# KiCad board qazimodo.kicad_pcb
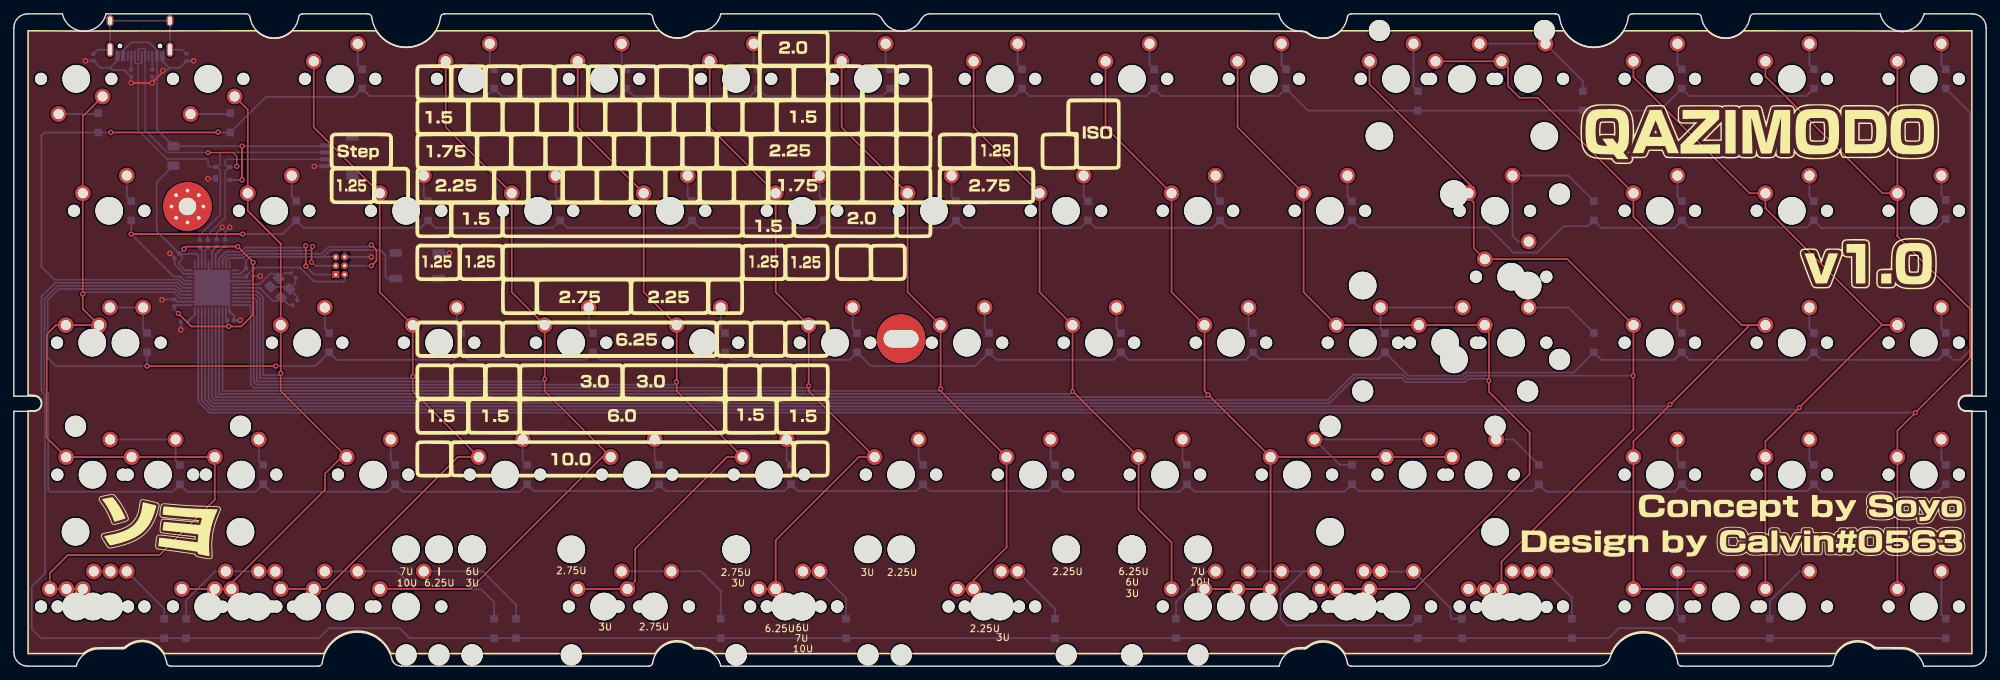
[diagram p0: board, top side]
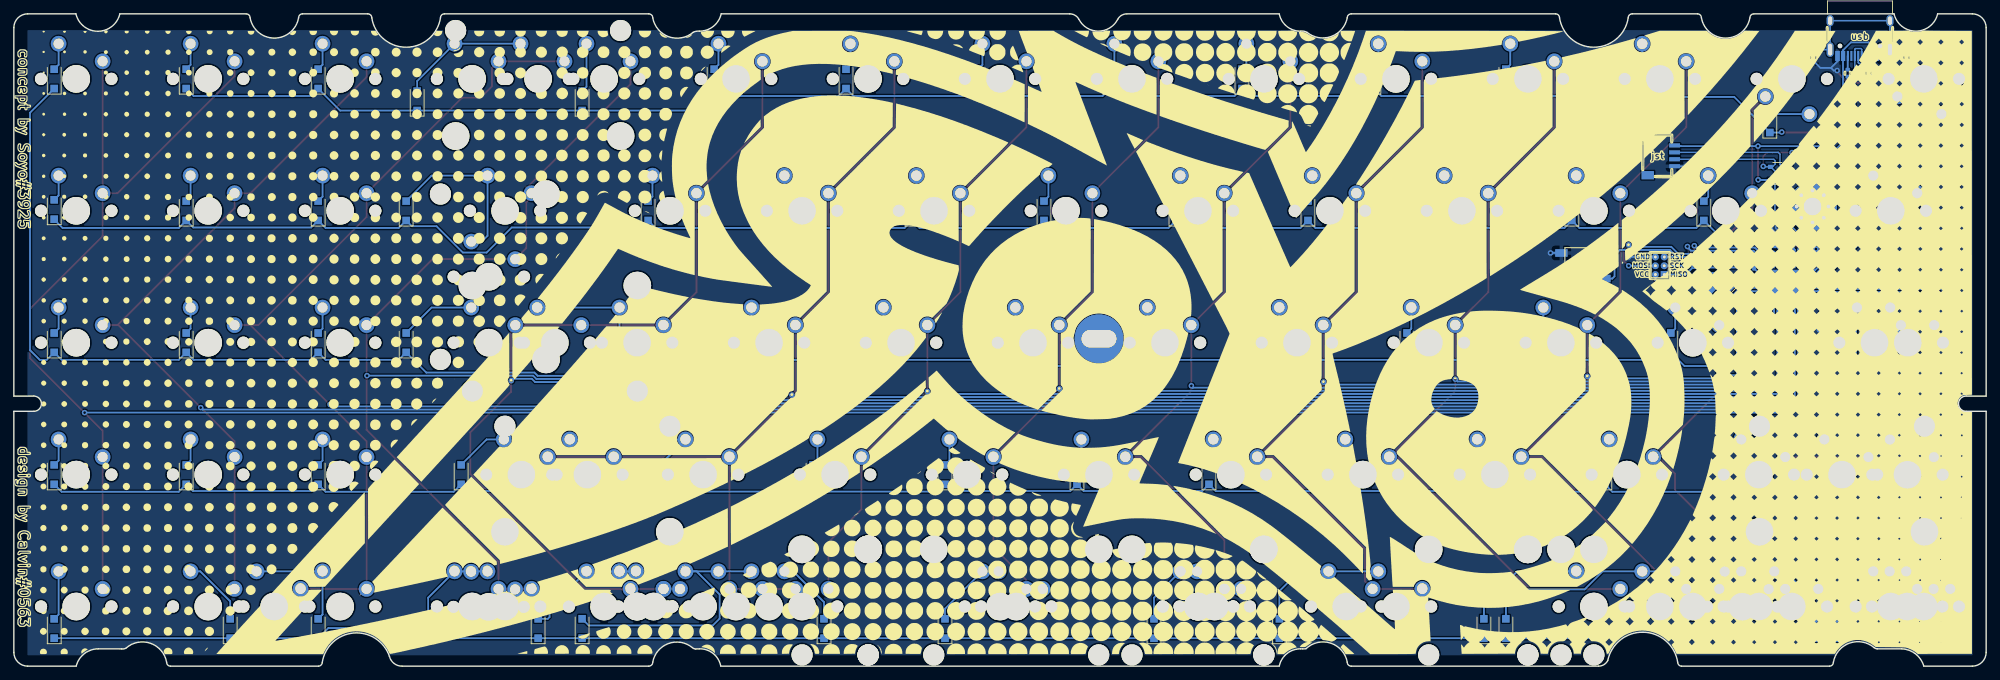
[diagram p1: board, bottom side, seen from below]

Outline 284.7 x 94.2 mm; copper layers: Top, Bottom. Coordinates in mm from the lower left corner of the outline.

## Placement (name value [footprint] x y rotation side)
C1  1uF  [C_0402_1005Metric]  29.26 61.12 90 bottom
C2  0.1uF  [C_0402_1005Metric]  23.16 52.49 90 bottom
C3  22pF  [C_0402_1005Metric]  40.57 52.49 225 bottom
C4  22pF  [C_0402_1005Metric]  40.31 56.43 135 bottom
C5  0.1uF  [C_0402_1005Metric]  30.53 61.12 90 bottom
C6  0.1uF  [C_0402_1005Metric]  31.29 49.95 0 bottom
C7  0.1uF  [C_0402_1005Metric]  34.02 56.3 0 bottom
C8  10uF  [C_0402_1005Metric]  23.54 59.22 225 bottom
C_USBSHIELD1  4.7nF  [C_0402_1005Metric]  11.48 87.92 270 bottom
D1  D_Small  [D_SOD-123F]  35.99 27.66 90 bottom
D2  D_Small  [D_SOD-123F]  12.17 78.46 90 bottom
D3  D_Small  [D_SOD-123F]  16.94 65.76 90 bottom
D4  D_Small  [D_SOD-123F]  19.22 46.72 90 bottom
D5  D_Small  [D_SOD-123F]  23.95 27.65 90 bottom
D6  D_Small  [D_SOD-123F]  21.7 5.43 90 bottom
D7  D_Small  [D_SOD-123F]  31.22 78.46 90 bottom
D8  D_Small  [D_SOD-123F]  40.75 65.76 90 bottom
D9  D_Small  [D_SOD-123F]  45.51 46.71 90 bottom
D10  D_Small  [D_SOD-123F]  55.04 27.66 90 bottom
D11  D_Small  [D_SOD-123F]  24.87 5.43 90 bottom
D12  D_Small  [D_SOD-123F]  50.27 84.81 90 bottom
D13  D_Small  [D_SOD-123F]  59.8 65.76 90 bottom
D14  D_Small  [D_SOD-123F]  64.56 46.71 90 bottom
D15  D_Small  [D_SOD-123F]  74.09 27.66 90 bottom
D16  D_Small  [D_SOD-123F]  69.32 5.43 90 bottom
D17  D_Small  [D_SOD-123F]  69.32 84.81 90 bottom
D18  D_Small  [D_SOD-123F]  78.85 65.76 90 bottom
D19  D_Small  [D_SOD-123F]  83.61 46.71 90 bottom
D20  D_Small  [D_SOD-123F]  93.14 27.66 90 bottom
D21  D_Small  [D_SOD-123F]  72.5 5.43 90 bottom
D22  D_Small  [D_SOD-123F]  88.37 84.81 90 bottom
D23  D_Small  [D_SOD-123F]  97.9 65.76 90 bottom
D24  D_Small  [D_SOD-123F]  102.66 46.71 90 bottom
D25  D_Small  [D_SOD-123F]  112.19 27.66 90 bottom
D26  D_Small  [D_SOD-123F]  102.03 5.43 90 bottom
D27  D_Small  [D_SOD-123F]  107.42 84.81 90 bottom
D28  D_Small  [D_SOD-123F]  116.95 65.76 90 bottom
D29  D_Small  [D_SOD-123F]  121.71 46.71 90 bottom
D30  D_Small  [D_SOD-123F]  131.24 27.66 90 bottom
D31  D_Small  [D_SOD-123F]  120.12 5.43 90 bottom
D32  D_Small  [D_SOD-123F]  126.47 84.81 90 bottom
D33  D_Small  [D_SOD-123F]  136 65.76 90 bottom
D34  D_Small  [D_SOD-123F]  140.76 46.71 90 bottom
D35  D_Small  [D_SOD-123F]  150.29 27.66 90 bottom
D36  D_Small  [D_SOD-123F]  150.29 5.43 90 bottom
D37  D_Small  [D_SOD-123F]  145.52 84.81 90 bottom
D38  D_Small  [D_SOD-123F]  155.05 65.76 90 bottom
D39  D_Small  [D_SOD-123F]  159.81 46.71 90 bottom
D40  D_Small  [D_SOD-123F]  169.34 27.66 90 bottom
D41  D_Small  [D_SOD-123F]  167.75 5.43 90 bottom
D42  D_Small  [D_SOD-123F]  220.14 27.66 90 bottom
D43  D_Small  [D_SOD-123F]  164.57 84.81 90 bottom
D44  D_Small  [D_SOD-123F]  174.1 65.76 90 bottom
D45  D_Small  [D_SOD-123F]  178.86 46.71 90 bottom
D46  D_Small  [D_SOD-123F]  193.15 27.66 90 bottom
D47  D_Small  [D_SOD-123F]  202.67 5.43 90 bottom
D48  D_Small  [D_SOD-123F]  228.07 46.71 90 bottom
D49  D_Small  [D_SOD-123F]  183.62 84.81 90 bottom
D50  D_Small  [D_SOD-123F]  193.15 65.76 90 bottom
D51  D_Small  [D_SOD-123F]  197.91 46.71 90 bottom
D52  D_Small  [D_SOD-123F]  240.77 27.66 90 bottom
D53  D_Small  [D_SOD-123F]  209.02 5.43 90 bottom
D54  D_Small  [D_SOD-123F]  202.67 81.63 90 bottom
D55  D_Small  [D_SOD-123F]  228.07 65.76 90 bottom
D56  D_Small  [D_SOD-123F]  240.77 46.71 90 bottom
D57  D_Small  [D_SOD-123F]  259.82 27.66 90 bottom
D58  D_Small  [D_SOD-123F]  224.9 5.43 90 bottom
D59  D_Small  [D_SOD-123F]  226.49 81.63 90 bottom
D60  D_Small  [D_SOD-123F]  240.77 65.76 90 bottom
D61  D_Small  [D_SOD-123F]  259.82 46.71 90 bottom
D62  D_Small  [D_SOD-123F]  278.87 27.66 90 bottom
D63  D_Small  [D_SOD-123F]  240.77 5.43 90 bottom
D64  D_Small  [D_SOD-123F]  240.77 84.81 90 bottom
D65  D_Small  [D_SOD-123F]  259.82 65.76 90 bottom
D66  D_Small  [D_SOD-123F]  278.87 46.71 90 bottom
D67  D_Small  [D_SOD-123F]  253.47 5.43 90 bottom
D68  D_Small  [D_SOD-123F]  259.82 84.81 90 bottom
D69  D_Small  [D_SOD-123F]  278.87 65.95 90 bottom
D70  D_Small  [D_SOD-123F]  278.87 84.81 90 bottom
D71  D_Small  [D_SOD-123F]  278.87 5.43 90 bottom
D72  PRTR5V0U2X  [SOT-143]  30.14 71.16 0 bottom
F1  500mA  [Fuse_1206_3216Metric]  23.03 73.7 270 bottom
G***  -  [LOGO]  142.33 47.23 0 top
G***#2  -  [LOGO]  142.39 47.12 180 bottom
J1  AVR-ISP-6  [ICSP_1.27mm]  46.47 56.55 0 bottom
J2  Conn_01x04_MountingPin  [JST-SR-4]  49.75 73.7 270 bottom
J3  USB_C_Receptacle_USB2.0  [USB_C_Receptacle_HRO_TYPE-C-31-M-12]  18.21 92.16 0 bottom
MX1  MX-NoLED  [MXOnly-1U-NoLED]  9 84.81 180 top
MX2  MX-NoLED  [MXOnly-1U-NoLED]  28.05 84.81 180 top
MX3  MX-NoLED  [MXOnly-1U-NoLED]  47.1 84.81 0 top
MX4  MX-NoLED  [MXOnly-1U-NoLED]  66.15 84.81 0 top
MX5  MX-NoLED  [MXOnly-1U-NoLED]  85.2 84.81 0 top
MX6  MX-NoLED  [MXOnly-1U-NoLED]  104.25 84.81 0 top
MX7  MX-NoLED  [MXOnly-1U-NoLED]  123.3 84.81 0 top
MX8  MX-NoLED  [MXOnly-1U-NoLED]  142.35 84.81 0 top
MX9  MX-NoLED  [MXOnly-1U-NoLED]  161.4 84.81 0 top
MX10  MX-NoLED  [MXOnly-1U-NoLED]  180.45 84.81 0 top
MX11  MX-NoLED  [MXOnly-1U-NoLED]  199.5 84.81 0 top
MX12  MX-NoLED  [MXOnly-1U-NoLED]  218.55 84.81 0 top
MX12a1  MX-NoLED  [MXOnly-2U-NoLED]  209.02 84.81 0 top
MX13  MX-NoLED  [MXOnly-1U-NoLED]  237.6 84.81 0 top
MX14  MX-NoLED  [MXOnly-1U-NoLED]  256.65 84.81 0 top
MX15  MX-NoLED  [MXOnly-1U-NoLED]  275.7 84.81 0 top
MX16  MX-NoLED  [MXOnly-1.5U-NoLED]  13.76 65.76 0 top
MX17  MX-NoLED  [MXOnly-1U-NoLED]  37.57 65.76 0 top
MX18  MX-NoLED  [MXOnly-1U-NoLED]  56.62 65.76 0 top
MX19  MX-NoLED  [MXOnly-1U-NoLED]  75.67 65.76 0 top
MX20  MX-NoLED  [MXOnly-1U-NoLED]  94.72 65.76 0 top
MX21  MX-NoLED  [MXOnly-1U-NoLED]  113.77 65.76 0 top
MX22  MX-NoLED  [MXOnly-1U-NoLED]  132.82 65.76 0 top
MX23  MX-NoLED  [MXOnly-1U-NoLED]  151.87 65.76 0 top
MX24  MX-NoLED  [MXOnly-1U-NoLED]  170.92 65.76 0 top
MX25  MX-NoLED  [MXOnly-1U-NoLED]  189.97 65.76 0 top
MX26  MX-NoLED  [MXOnly-1.5U-NoLED]  213.79 65.76 0 top
MX26a1  MX-NoLED  [MXOnly-ISO-ReversedStabilizers-NoLED]  216.14 56.23 0 top
MX27  MX-NoLED  [MXOnly-1U-NoLED]  237.6 65.76 0 top
MX28  MX-NoLED  [MXOnly-1U-NoLED]  256.65 65.76 0 top
MX29  MX-NoLED  [MXOnly-1U-NoLED]  275.7 65.76 0 top
MX30  MX-NoLED  [MXOnly-1.75U-NoLED]  16.11 46.71 0 top
MX30a1  MX-NoLED  [MXOnly-1.25U-NoLED]  11.31 46.71 0 top
MX31  MX-NoLED  [MXOnly-1U-NoLED]  42.34 46.71 0 top
MX32  MX-NoLED  [MXOnly-1U-NoLED]  61.39 46.71 0 top
MX33  MX-NoLED  [MXOnly-1U-NoLED]  80.44 46.71 0 top
MX34  MX-NoLED  [MXOnly-1U-NoLED]  99.49 46.71 0 top
MX35  MX-NoLED  [MXOnly-1U-NoLED]  118.54 46.71 0 top
MX36  MX-NoLED  [MXOnly-1U-NoLED]  137.59 46.71 0 top
MX37  MX-NoLED  [MXOnly-1U-NoLED]  156.64 46.71 0 top
MX38  MX-NoLED  [MXOnly-1U-NoLED]  175.69 46.71 0 top
MX39  MX-NoLED  [MXOnly-2.25U-ReversedStabilizers-NoLED]  206.61 46.71 0 top
MX39a1  MX-NoLED  [MXOnly-1U-NoLED]  194.74 46.71 0 top
MX39b1  MX-NoLED  [MXOnly-1.25U-NoLED]  216.14 46.71 0 top
MX40  MX-NoLED  [MXOnly-1U-NoLED]  237.6 46.71 0 top
MX41  MX-NoLED  [MXOnly-1U-NoLED]  256.65 46.71 0 top
MX42  MX-NoLED  [MXOnly-1U-NoLED]  275.7 46.71 0 top
MX43  MX-NoLED  [MXOnly-2.25U-NoLED]  20.81 27.66 0 top
MX43a1  MX-NoLED  [MXOnly-1.25U-NoLED]  11.36 27.64 0 top
MX43b1  MX-NoLED  [MXOnly-1U-NoLED]  32.81 27.66 0 top
MX44  MX-NoLED  [MXOnly-1U-NoLED]  51.86 27.66 0 top
MX45  MX-NoLED  [MXOnly-1U-NoLED]  70.91 27.66 0 top
MX46  MX-NoLED  [MXOnly-1U-NoLED]  89.96 27.66 0 top
MX47  MX-NoLED  [MXOnly-1U-NoLED]  109.01 27.66 0 top
MX48  MX-NoLED  [MXOnly-1U-NoLED]  128.06 27.66 0 top
MX49  MX-NoLED  [MXOnly-1U-NoLED]  147.11 27.66 0 top
MX50  MX-NoLED  [MXOnly-1U-NoLED]  166.16 27.66 0 top
MX51  MX-NoLED  [MXOnly-1U-NoLED]  185.21 27.66 0 top
MX51a1  MX-NoLED  [MXOnly-1.75U-NoLED]  211.44 27.66 0 top
MX51b1  MX-NoLED  [MXOnly-2.75U-NoLED]  201.91 27.66 0 top
MX52  MX-NoLED  [MXOnly-1U-NoLED]  237.6 27.66 0 top
MX53  MX-NoLED  [MXOnly-1U-NoLED]  256.65 27.66 0 top
MX54  MX-NoLED  [MXOnly-1U-NoLED]  275.7 27.66 0 top
MX55  MX-NoLED  [MXOnly-1U-NoLED]  9 8.61 0 top
MX55a1  MX-NoLED  [MXOnly-1.25U-NoLED]  11.4 8.61 0 top
MX55b1  MX-NoLED  [MXOnly-1.5U-NoLED]  13.76 8.61 0 top
MX56  MX-NoLED  [MXOnly-1U-NoLED]  28.05 8.61 0 top
MX56a1  MX-NoLED  [MXOnly-1.25U-NoLED]  35.2 8.58 0 top
MX56b1  MX-NoLED  [MXOnly-1.5U-NoLED]  32.81 8.61 0 top
MX57a1  MX-NoLED  [MXOnly-1U-NoLED]  47.1 8.61 0 top
MX57b1  MX-NoLED  [MXOnly-1.5U-NoLED]  42.34 8.61 0 top
MX58  MX-NoLED  [MXOnly-1U-NoLED]  56.62 8.61 0 top
MX59  MX-NoLED  [MXOnly-2.75U-ReversedStabilizers-NoLED]  92.37 8.61 0 top
MX59a1  MX-NoLED  [MXOnly-3U-ReversedStabilizers-NoLED]  85.2 8.61 0 top
MX60  MX-NoLED  [MXOnly-7U-ReversedStabilizers-NoLED]  113.77 8.61 0 top
MX60a1  MX-NoLED  [MXOnly-6.25U-ReversedStabilizers-NoLED]  111.36 8.61 0 top
MX60b1  MX-NoLED  [MXOnly-6U-Centered-ReversedStabilizers-NoLED]  113.77 8.61 0 top
MX60c1  MX-NoLED  [CherryMX_10.00u]  113.77 8.61 0 top
MX61  MX-NoLED  [MXOnly-2.25U-ReversedStabilizers-NoLED]  140.01 8.61 0 top
MX61a1  MX-NoLED  [MXOnly-3U-ReversedStabilizers-NoLED]  142.35 8.61 0 top
MX62  MX-NoLED  [MXOnly-1U-NoLED]  170.92 8.61 0 top
MX63  MX-NoLED  [MXOnly-1U-NoLED]  180.45 8.61 0 top
MX63a1  MX-NoLED  [MXOnly-1.5U-NoLED]  185.21 8.61 0 top
MX63b1  MX-NoLED  [MXOnly-1U-NoLED]  175.69 8.61 0 top
MX64  MX-NoLED  [MXOnly-1.5U-NoLED]  194.74 8.61 0 top
MX64a1  MX-NoLED  [MXOnly-1.25U-NoLED]  192.36 8.61 0 top
MX64b1  MX-NoLED  [MXOnly-1U-NoLED]  199.5 8.61 0 top
MX64c1  MX-NoLED  [MXOnly-1U-NoLED]  194.74 8.61 0 top
MX65  MX-NoLED  [MXOnly-1.5U-NoLED]  213.79 8.61 0 top
MX65a1  MX-NoLED  [MXOnly-1.25U-NoLED]  216.16 8.55 0 top
MX65b1  MX-NoLED  [MXOnly-1U-NoLED]  218.55 8.61 0 top
MX66  MX-NoLED  [MXOnly-1U-NoLED]  237.6 8.61 0 top
MX66a1  MX-NoLED  [MXOnly-2U-ReversedStabilizers-NoLED]  247.12 8.61 0 top
MX67  MX-NoLED  [MXOnly-1U-NoLED]  256.65 8.61 0 top
MX68  MX-NoLED  [MXOnly-1U-NoLED]  275.7 8.61 0 top
NOREF  -  [bad433fe-e59e-4cc5-9a2c-e9a85b9d332d]  284.11 0.59 0 top
R1  22  [R_0402_1005Metric]  26.84 61 270 bottom
R2  22  [R_0402_1005Metric]  27.99 61 270 bottom
R3  10k  [R_0402_1005Metric]  24.62 49.76 180 bottom
R4  10k  [R_0402_1005Metric]  34.02 57.44 180 bottom
R_USB1  5.1k  [R_0402_1005Metric]  16.94 85.64 270 bottom
R_USB2  5.1k  [R_0402_1005Metric]  19.98 85.64 270 bottom
R_USBSHIELD1  1M  [R_0402_1005Metric]  24.94 87.92 270 bottom
SW_Reset1  SW_Push  [SKQG-1155865]  58.21 57.82 0 bottom
U1  ATmega32U4-M  [QFN-44-1EP_7x7mm_P0.5mm_EP5.2x5.2mm]  28.62 54.65 270 bottom
Y1  Crystal_GND24_Small  [Crystal_SMD_3225-4Pin_3.2x2.5mm]  38.41 54.65 135 bottom

## Library data of the parts
J1 = -: Field4: ICSP

## Footprints (pads in the part's own frame, mm; a bottom-side part is the same pattern mirrored in y, then rotated)
bad433fe-e59e-4cc5-9a2c-e9a85b9d332d
  round 1 hole 0.5: 1(-261.353,65.795) 1(-261.353,65.795) 1(-260.679,67.422) 1(-260.679,67.422) 1(-260.679,64.169) 1(-260.679,64.169) 1(-259.053,68.095) 1(-259.053,68.095) 1(-259.053,63.495) 1(-259.053,63.495) 1(-257.426,67.422) 1(-257.426,67.422) 1(-257.426,64.169) 1(-257.426,64.169) 1(-256.753,65.795) 1(-256.753,65.795)
  round 7.001 hole 2.499: 1(-259.053,65.795) 1(-259.053,65.795)
  round 7 hole 5.001x2.499: 2(-156.053,46.695) 2(-156.053,46.695)
C_0402_1005Metric
  rrect 0.56x0.62 smd: 1(-0.48,0) 2(0.48,0)
CherryMX_10.00u
  round 4 hole 4 unplated: (0,0)
  round 2.2 hole 1.5: 1(-3.81,2.54) 2(2.54,5.08)
Crystal_SMD_3225-4Pin_3.2x2.5mm
  rect 1.4x1.2 smd: 1(-1.1,-0.85) 2(1.1,-0.85) 3(1.1,0.85) 4(-1.1,0.85)
D_SOD-123F
  rect 1.1x1.1 smd: 1(-1.4,0) 2(1.4,0)
Fuse_1206_3216Metric
  rrect 1.25x1.75 smd: 1(-1.4,0) 2(1.4,0)
ICSP_1.27mm
  rect 1x1 hole 0.4: 1(0,0)
  oval 1x1 hole 0.4: 2(1.27,0) 3(0,-1.27) 4(1.27,-1.27) 5(0,-2.54) 6(1.27,-2.54)
JST-SR-4
  rect 1.2x1.8 smd: (-2.8,0.9) (2.8,0.9)
  rect 0.6x1.55 smd: 1(-1.5,4.775) 2(-0.5,4.775) 3(0.5,4.775) 4(1.5,4.775)
MXOnly-1.5U-NoLED
  round 1.75 hole 1.75 unplated: (-5.08,0) (5.08,0)
  round 3.988 hole 3.988 unplated: (0,0)
  round 2.25 hole 1.47: 1(-3.81,2.54) 2(2.54,5.08)
MXOnly-1.25U-NoLED
  round 1.75 hole 1.75 unplated: (-5.08,0) (5.08,0)
  round 3.988 hole 3.988 unplated: (0,0)
  round 2.25 hole 1.47: 1(-3.81,2.54) 2(2.54,5.08)
MXOnly-1.75U-NoLED
  round 1.75 hole 1.75 unplated: (-5.08,0) (5.08,0)
  round 3.988 hole 3.988 unplated: (0,0)
  round 2.25 hole 1.47: 1(-3.81,2.54) 2(2.54,5.08)
MXOnly-1U-NoLED
  round 1.75 hole 1.75 unplated: (-5.08,0) (5.08,0)
  round 3.988 hole 3.988 unplated: (0,0)
  round 2.25 hole 1.47: 1(-3.81,2.54) 2(2.54,5.08)
MXOnly-2.25U-NoLED
  round 3.048 hole 3.048 unplated: (-11.906,6.985) (11.906,6.985)
  round 3.988 hole 3.988 unplated: (-11.906,-8.255) (0,0) (11.906,-8.255)
  round 1.75 hole 1.75 unplated: (-5.08,0) (5.08,0)
  round 2.25 hole 1.47: 1(-3.81,2.54) 2(2.54,5.08)
MXOnly-2.25U-ReversedStabilizers-NoLED
  round 3.988 hole 3.988 unplated: (-11.906,8.255) (0,0) (11.906,8.255)
  round 3.048 hole 3.048 unplated: (-11.906,-6.985) (11.906,-6.985)
  round 1.75 hole 1.75 unplated: (-5.08,0) (5.08,0)
  round 2.25 hole 1.47: 1(-3.81,2.54) 2(2.54,5.08)
MXOnly-2.75U-NoLED
  round 3.048 hole 3.048 unplated: (-11.906,6.985) (11.906,6.985)
  round 3.988 hole 3.988 unplated: (-11.906,-8.255) (0,0) (11.906,-8.255)
  round 1.75 hole 1.75 unplated: (-5.08,0) (5.08,0)
  round 2.25 hole 1.47: 1(-3.81,2.54) 2(2.54,5.08)
MXOnly-2.75U-ReversedStabilizers-NoLED
  round 3.988 hole 3.988 unplated: (-11.906,8.255) (0,0) (11.906,8.255)
  round 3.048 hole 3.048 unplated: (-11.906,-6.985) (11.906,-6.985)
  round 1.75 hole 1.75 unplated: (-5.08,0) (5.08,0)
  round 2.25 hole 1.47: 1(-3.81,2.54) 2(2.54,5.08)
MXOnly-2U-NoLED
  round 3.048 hole 3.048 unplated: (-11.906,6.985) (11.906,6.985)
  round 3.988 hole 3.988 unplated: (-11.906,-8.255) (0,0) (11.906,-8.255)
  round 1.75 hole 1.75 unplated: (-5.08,0) (5.08,0)
  round 2.25 hole 1.47: 1(-3.81,2.54) 2(2.54,5.08)
MXOnly-2U-ReversedStabilizers-NoLED
  round 1.75 hole 1.75 unplated: (-5.08,0) (5.08,0)
  round 3.988 hole 3.988 unplated: (0,0)
  round 2.25 hole 1.47: 1(-3.81,2.54) 2(2.54,5.08)
MXOnly-3U-ReversedStabilizers-NoLED
  round 3.988 hole 3.988 unplated: (-19.05,8.255) (0,0) (19.05,8.255)
  round 3.048 hole 3.048 unplated: (-19.05,-6.985) (19.05,-6.985)
  round 1.75 hole 1.75 unplated: (-5.08,0) (5.08,0)
  round 2.25 hole 1.47: 1(-3.81,2.54) 2(2.54,5.08)
MXOnly-6.25U-ReversedStabilizers-NoLED
  round 3.988 hole 3.988 unplated: (-50,8.255) (0,0) (50,8.255)
  round 3.048 hole 3.048 unplated: (-50,-6.985) (50,-6.985)
  round 1.75 hole 1.75 unplated: (-5.08,0) (5.08,0)
  round 2.25 hole 1.47: 1(-3.81,2.54) 2(2.54,5.08)
MXOnly-6U-Centered-ReversedStabilizers-NoLED
  round 3.988 hole 3.988 unplated: (-47.625,8.255) (0,0) (47.625,8.255)
  round 3.048 hole 3.048 unplated: (-47.625,-6.985) (47.625,-6.985)
  round 1.75 hole 1.75 unplated: (-5.08,0) (5.08,0)
  round 2.25 hole 1.47: 1(-3.81,2.54) 2(2.54,5.08)
MXOnly-7U-ReversedStabilizers-NoLED
  round 3.988 hole 3.988 unplated: (-57.15,8.255) (0,0) (57.15,8.255)
  round 3.048 hole 3.048 unplated: (-57.15,-6.985) (57.15,-6.985)
  round 1.75 hole 1.75 unplated: (-5.08,0) (5.08,0)
  round 2.25 hole 1.47: 1(-3.81,2.54) 2(2.54,5.08)
MXOnly-ISO-ReversedStabilizers-NoLED
  round 3.988 hole 3.988 unplated: (-8.255,11.938) (-8.255,-11.938) (0,0)
  round 1.75 hole 1.75 unplated: (-5.08,0) (5.08,0)
  round 3.048 hole 3.048 unplated: (6.985,11.938) (6.985,-11.938)
  round 2.25 hole 1.47: 1(-3.81,2.54) 2(2.54,5.08)
QFN-44-1EP_7x7mm_P0.5mm_EP5.2x5.2mm
  rrect 1.05x1.05 smd: (-1.95,-1.95) (-1.95,-0.65) (-1.95,0.65) (-1.95,1.95) (-0.65,-1.95) (-0.65,-0.65) (-0.65,0.65) (-0.65,1.95) (0.65,-1.95) (0.65,-0.65) (0.65,0.65) (0.65,1.95) (1.95,-1.95) (1.95,-0.65) (1.95,0.65) (1.95,1.95)
  rrect 1.075x0.25 smd: 1(-3.337,2.5) 2(-3.337,2) 3(-3.337,1.5) 4(-3.337,1) 5(-3.337,0.5) 6(-3.337,0) 7(-3.337,-0.5) 8(-3.337,-1) 9(-3.337,-1.5) 10(-3.337,-2) 11(-3.337,-2.5) 23(3.337,-2.5) 24(3.337,-2) 25(3.337,-1.5) 26(3.337,-1) 27(3.337,-0.5) 28(3.337,0) 29(3.337,0.5) 30(3.337,1) 31(3.337,1.5) 32(3.337,2) 33(3.337,2.5)
  rrect 0.25x1.075 smd: 12(-2.5,-3.337) 13(-2,-3.337) 14(-1.5,-3.337) 15(-1,-3.337) 16(-0.5,-3.337) 17(0,-3.337) 18(0.5,-3.337) 19(1,-3.337) 20(1.5,-3.337) 21(2,-3.337) 22(2.5,-3.337) 34(2.5,3.337) 35(2,3.337) 36(1.5,3.337) 37(1,3.337) 38(0.5,3.337) 39(0,3.337) 40(-0.5,3.337) 41(-1,3.337) 42(-1.5,3.337) 43(-2,3.337) 44(-2.5,3.337)
  rect 5.2x5.2 smd: 45(0,0)
R_0402_1005Metric
  rrect 0.54x0.64 smd: 1(-0.51,0) 2(0.51,0)
SKQG-1155865
  rect 1.8x1.1 smd: 1(3.1,-1.85) 2(-3.1,1.85) 3(3.1,1.85) 4(-3.1,-1.85)
SOT-143
  rect 0.7x1 smd: 1(-1,0.75)
  rect 0.7x0.6 smd: 2(-1,-0.95) 3(1,-0.95) 4(1,0.95)
USB_C_Receptacle_HRO_TYPE-C-31-M-12
  round 0.65 hole 0.65 unplated: (-2.89,2.6) (2.89,2.6)
  rect 0.6x1.45 smd: A1(-3.25,4.045) A4(-2.45,4.045) A9(2.45,4.045) A12(3.25,4.045) B1(3.25,4.045) B4(2.45,4.045) B9(-2.45,4.045) B12(-3.25,4.045)
  rect 0.3x1.45 smd: A5(-1.25,4.045) A6(-0.25,4.045) A7(0.25,4.045) A8(1.25,4.045) B5(1.75,4.045) B6(0.75,4.045) B7(-0.75,4.045) B8(-1.75,4.045)
  oval 1x1.6 hole 0.6x1.2: S1(-4.32,-1.05) S1(4.32,-1.05)
  oval 1x2.1 hole 0.6x1.7: S1(-4.32,3.13) S1(4.32,3.13)

## Nets
+5V: C2.1 C5.1 C6.1 C7.1 C8.1 F1.2 J1.2 R4.1 U1.2 U1.7 U1.14 U1.24 U1.34 U1.44
GND: C1.2 C2.2 C3.1 C4.1 C5.2 C6.2 C7.2 C8.2 C_USBSHIELD1.2 D72.1 J1.6 J2.4 J3.A1 J3.A12 J3.B1 J3.B12 R3.2 R_USB1.2 R_USB2.2 R_USBSHIELD1.2 SW_Reset1.1 U1.5 U1.15 U1.23 U1.35 U1.43 U1.45 Y1.2 Y1.4
VCC: D72.4 F1.1 J2.1 J3.A4 J3.A9 J3.B4 J3.B9
COL0: MX1.1 MX16.1 MX30.1 MX30a1.1 MX43.1 MX43a1.1 MX43b1.1 MX55.1 MX55a1.1 MX55b1.1 U1.36
COL1: MX2.1 MX17.1 MX31.1 MX44.1 MX56.1 MX56a1.1 MX56b1.1 U1.18
COL2: MX3.1 MX18.1 MX32.1 MX45.1 MX57a1.1 MX57b1.1 U1.19
COL3: MX4.1 MX19.1 MX33.1 MX46.1 MX58.1 U1.20
COL4: MX5.1 MX20.1 MX34.1 MX47.1 MX59.1 MX59a1.1 U1.21
COL5: MX6.1 MX21.1 MX35.1 MX48.1 MX60.1 MX60a1.1 MX60b1.1 MX60c1.1 U1.22
COL6: MX7.1 MX22.1 MX36.1 MX49.1 MX61.1 MX61a1.1 U1.25
COL7: MX8.1 MX23.1 MX37.1 MX50.1 MX62.1 U1.26
COL8: MX9.1 MX24.1 MX38.1 MX51.1 MX51a1.1 MX51b1.1 MX63.1 MX63a1.1 MX63b1.1 U1.27
COL9: MX10.1 MX25.1 MX39.1 MX39a1.1 MX39b1.1 MX64.1 MX64a1.1 MX64b1.1 MX64c1.1 U1.29
COL10: MX11.1 MX26.1 MX26a1.1 MX40.1 MX65.1 MX65a1.1 MX65b1.1 U1.28
COL11: MX12.1 MX12a1.1 MX27.1 MX41.1 MX52.1 MX66.1 MX66a1.1 U1.30
COL12: MX13.1 MX28.1 MX42.1 MX53.1 MX67.1 U1.31
COL13: MX14.1 MX15.1 MX29.1 MX54.1 MX68.1 U1.32
D+: D72.3 J2.3 J3.A6 J3.B6 R2.1
D-: D72.2 J2.2 J3.A7 J3.B7 R1.1
MISO: J1.1 U1.8
MOSI: J1.4 U1.10
RESET: J1.5 R4.2 SW_Reset1.2 U1.13
ROW0: D2.1 D7.1 D12.1 D17.1 D22.1 D27.1 D32.1 D37.1 D43.1 D49.1 D54.1 D59.1 D64.1 D68.1 U1.40
ROW1: D3.1 D8.1 D13.1 D18.1 D23.1 D28.1 D33.1 D38.1 D44.1 D50.1 D55.1 D60.1 D65.1 D69.1 U1.41
ROW2: D4.1 D9.1 D14.1 D19.1 D24.1 D29.1 D34.1 D39.1 D45.1 D48.1 D51.1 D56.1 D61.1 D66.1 D70.1 U1.37
ROW3: D1.1 D5.1 D10.1 D15.1 D20.1 D25.1 D30.1 D35.1 D40.1 D42.1 D46.1 D52.1 D57.1 D62.1 U1.38
ROW4: D6.1 D11.1 D16.1 D21.1 D26.1 D31.1 D36.1 D41.1 D47.1 D53.1 D58.1 D63.1 D67.1 D71.1 U1.39
SCK: J1.3 U1.9
XTAL1: C3.2 U1.17 Y1.1
XTAL2: C4.2 U1.16 Y1.3
Net-(C1-Pad1): C1.1 U1.6
Net-(C_USBSHIELD1-Pad1): C_USBSHIELD1.1 J3.S1 NOREF.1 R_USBSHIELD1.1
Net-(D1-Pad2): D1.2 MX43b1.2
Net-(D2-Pad2): D2.2 MX1.2
Net-(D3-Pad2): D3.2 MX16.2
Net-(D4-Pad2): D4.2 MX30.2 MX30a1.2
Net-(D5-Pad2): D5.2 MX43.2 MX43a1.2
Net-(D6-Pad2): D6.2 MX55.2 MX55a1.2 MX55b1.2
Net-(D7-Pad2): D7.2 MX2.2
Net-(D8-Pad2): D8.2 MX17.2
Net-(D9-Pad2): D9.2 MX31.2
Net-(D10-Pad2): D10.2 MX44.2
Net-(D11-Pad2): D11.2 MX56.2 MX56a1.2 MX56b1.2
Net-(D12-Pad2): D12.2 MX3.2
Net-(D13-Pad2): D13.2 MX18.2
Net-(D14-Pad2): D14.2 MX32.2
Net-(D15-Pad2): D15.2 MX45.2
Net-(D16-Pad2): D16.2 MX57a1.2 MX57b1.2
Net-(D17-Pad2): D17.2 MX4.2
Net-(D18-Pad2): D18.2 MX19.2
Net-(D19-Pad2): D19.2 MX33.2
Net-(D20-Pad2): D20.2 MX46.2
Net-(D21-Pad2): D21.2 MX58.2
Net-(D22-Pad2): D22.2 MX5.2
Net-(D23-Pad2): D23.2 MX20.2
Net-(D24-Pad2): D24.2 MX34.2
Net-(D25-Pad2): D25.2 MX47.2
Net-(D26-Pad2): D26.2 MX59.2 MX59a1.2
Net-(D27-Pad2): D27.2 MX6.2
Net-(D28-Pad2): D28.2 MX21.2
Net-(D29-Pad2): D29.2 MX35.2
Net-(D30-Pad2): D30.2 MX48.2
Net-(D31-Pad2): D31.2 MX60.2 MX60a1.2 MX60b1.2 MX60c1.2
Net-(D32-Pad2): D32.2 MX7.2
Net-(D33-Pad2): D33.2 MX22.2
Net-(D34-Pad2): D34.2 MX36.2
Net-(D35-Pad2): D35.2 MX49.2
Net-(D36-Pad2): D36.2 MX61.2 MX61a1.2
Net-(D37-Pad2): D37.2 MX8.2
Net-(D38-Pad2): D38.2 MX23.2
Net-(D39-Pad2): D39.2 MX37.2
Net-(D40-Pad2): D40.2 MX50.2
Net-(D41-Pad2): D41.2 MX62.2
Net-(D42-Pad2): D42.2 MX51a1.2
Net-(D43-Pad2): D43.2 MX9.2
Net-(D44-Pad2): D44.2 MX24.2
Net-(D45-Pad2): D45.2 MX38.2
Net-(D46-Pad2): D46.2 MX51.2 MX51b1.2
Net-(D47-Pad2): D47.2 MX63.2 MX63a1.2 MX63b1.2
Net-(D48-Pad2): D48.2 MX39b1.2
Net-(D49-Pad2): D49.2 MX10.2
Net-(D50-Pad2): D50.2 MX25.2
Net-(D51-Pad2): D51.2 MX39.2 MX39a1.2
Net-(D52-Pad2): D52.2 MX52.2
Net-(D53-Pad2): D53.2 MX64.2 MX64a1.2 MX64b1.2 MX64c1.2
Net-(D54-Pad2): D54.2 MX11.2
Net-(D55-Pad2): D55.2 MX26.2 MX26a1.2
Net-(D56-Pad2): D56.2 MX40.2
Net-(D57-Pad2): D57.2 MX53.2
Net-(D58-Pad2): D58.2 MX65.2 MX65a1.2 MX65b1.2
Net-(D59-Pad2): D59.2 MX12.2 MX12a1.2
Net-(D60-Pad2): D60.2 MX27.2
Net-(D61-Pad2): D61.2 MX41.2
Net-(D62-Pad2): D62.2 MX54.2
Net-(D63-Pad2): D63.2 MX66.2 MX66a1.2
Net-(D64-Pad2): D64.2 MX13.2
Net-(D65-Pad2): D65.2 MX28.2
Net-(D66-Pad2): D66.2 MX42.2
Net-(D67-Pad2): D67.2 MX67.2
Net-(D68-Pad2): D68.2 MX14.2
Net-(D69-Pad2): D69.2 MX29.2
Net-(D70-Pad2): D70.2 MX15.2
Net-(D71-Pad2): D71.2 MX68.2
Net-(J3-PadA5): J3.A5 R_USB1.1
Net-(J3-PadB5): J3.B5 R_USB2.1
Net-(R1-Pad2): R1.2 U1.3
Net-(R2-Pad2): R2.2 U1.4
Net-(R3-Pad1): R3.1 U1.33

Pads without a net: J3 A8 B8; NOREF 2; SW_Reset1 3 4; U1 1 11 12 42

## Via types
v1: diameter 0.8, hole 0.4, Top to Bottom, 51 vias

## Routing (per net, layer and track width the routed paths; a pad name or vN(x,y) marks a point on that pad's centre or on a via; arc(x,y) is an arc through that point)
+5V: length 85.3
  Top w0.25: v1(23.73,50.94) 23.73,50.93 25.61,49.06 32.82,49.06 34.53,50.77 v1(34.53,58.3) 34.53,58.37 v1(32.3,60.59) 24.91,60.59 v1(24.56,60.24)
  Bottom w0.25: v1(34.53,58.3) 34.53,57.25 34.85,57.57 41.32,57.57 43.35,55.54 47.54,55.54 47.74,55.74 J1.2 ; R4.1 34.53,57.3 33.54,56.31 C7.1 33.39,56.15 U1.14 ; v1(23.73,50.94) 23.16,51.51 C2.1 23.3,52.15 U1.34 ; U1.7 29.12,59.47 30.3,60.64 C5.1 32.25,60.64 v1(32.3,60.59) ; U1.2 26.62,59.31 26.38,59.56 C8.1 ; C8.1 24.3,59.14 24.3,58.84 23.79,58.33 23.79,58.08 24.72,57.15 U1.44 ; C8.1 20.62,62.82 20.62,69.88 F1.2 ; C8.1 v1(24.56,60.24) ; U1.24 30.62,50.14 C6.1 30.81,49.29 v1(31.03,49.06)
GND: length 83.3
  Top w0.25: v1(21.51,86.02) 21.51,85.81 v1(19.93,84.24) v1(16.94,84.24)
  Bottom w0.25: v1(43.35,72.17) 43.38,72.2 J2.4 ; v1(24.08,48.59) 24.11,48.61 R3.2 ; v1(22.52,59.6) 23.2,58.92 C8.2 23.2,58.03 24.59,56.65 U1.43 26.62,56.65 U1.45 ; v1(10.33,87.41) 10.36,87.44 C_USBSHIELD1.2 12.52,86.4 13.89,86.4 ; 13.89,86.4 14.96,87.47 J3.A1 ; 13.89,86.4 14.23,86.06 16,86.06 R_USB1.2 v1(16.94,84.24) ; 22.4,86.4 22.02,86.02 v1(21.51,86.02) ; 22.4,86.4 21.46,87.34 J3.A12 ; 22.4,86.4 23.92,86.4 R_USBSHIELD1.2 v1(25.95,87.41) ; 35.56,56.3 C7.2 34.5,55.89 34.21,55.6 32.01,55.6 U1.15 29.62,55.65 U1.45 ; U1.45 31.03,52.23 ; U1.45 28.62,56.9 28.12,57.4 U1.5 ; U1.45 31.07,52.2 31.07,51.36 U1.23 31.77,50.66 C6.2 v1(32.68,49.95) ; U1.45 26.62,52.65 U1.35 23.48,52.65 C2.2 21.43,52.97 v1(21.38,52.92) ; Y1.2 37.07,54.78 39.47,54.78 Y1.4 ; Y1.4 40.91,53.35 C3.1 ; Y1.4 40.65,55.34 C4.1 ; C5.2 30.53,62.73 v1(31.16,63.36) ; v1(30.08,63.37) 29.26,62.55 C1.2 ; v1(28.02,70.39) 28.03,70.41 D72.1 ; J1.6 v1(51.61,59.09) ; v1(19.93,84.24) 19.98,84.29 R_USB2.2 ; v1(62.88,59.67) 62.88,59.67 SW_Reset1.1
  vias: v1(35.57,56.31)
VCC: length 56.9
  Top w0.25: 33.04,70.27 32.94,70.37 v1(32.94,75.1) 32.91,75.07 v1(32.91,70.23)
  Bottom w0.25: 33.04,70.27 32.98,70.21 D72.4 32.89,70.21 v1(32.91,70.23) ; J2.1 44.87,75.09 44.11,75.09 44.11,75.1 v1(32.94,75.1) 23.03,75.1 20.66,77.47 J3.A9 20.66,88.94 19.52,90.08 16.94,90.08 15.76,88.9 J3.A4
COL0: length 140.9
  Top w0.25: MX1.1 9.95,79.41 MX16.1 9.95,51.6 MX30.1 MX30a1.1 6.08,49.25 4.74,47.92 4.74,32.99 MX43a1.1 28.99,30.18 MX43b1.1 29,24.04 21,16.04 7.79,16.04 5.19,13.44 MX55.1 MX55b1.1
  Bottom w0.25: U1.36 23.95,53.15 23.08,54.01 10.23,54.01 v1(9.95,53.74)
COL1: length 110.7
  Top w0.25: MX2.1 33.76,80.36 MX17.1 33.76,65.76 38.53,61 MX31.1 38.53,39.72 MX44.1 47.31,30.2 44.92,27.81 44.92,25.48 31.39,11.96 MX56a1.1 24.27,11.12 MX56.1
  Bottom w0.25: U1.18 35.09,54.15 35.99,53.25 35.99,42.07 36.05,42.01 38.34,42.01 38.53,42.2 v1(38.53,42.29)
COL2: length 141.4
  Top w0.25: MX3.1 43.29,77.82 MX18.1 52.81,54.01 MX32.1 57.58,39.72 MX45.1 64.1,30.2 45.05,11.15 MX57a1.1 MX57b1.1
  Bottom w0.25: 35.54,42.26 35.54,41.88 ; 35.54,42.26 35.54,41.56 57.45,41.56 57.58,41.69 v1(57.58,41.84) ; 35.54,42.26 35.54,53.06 34.95,53.65 U1.19
COL3: length 164.8
  Top w0.25: MX58.1 65.9,11.15 84.95,30.2 MX46.1 76.63,39.72 MX33.1 71.86,54.01 MX19.1 62.34,77.82 MX4.1
  Bottom w0.25: U1.20 34.69,53.15 35.09,52.75 35.09,41.2 35.17,41.11 76.3,41.11 v1(76.63,41.44)
COL4: length 177.4
  Top w0.25: MX5.1 81.39,77.82 MX20.1 90.91,54.01 MX34.1 95.68,39.72 MX47.1 102.94,30.2 89.69,16.95 89.69,12.27 MX59.1 MX59a1.1
  Bottom w0.25: 95.28,40.66 34.98,40.66 34.64,41.01 34.64,52.57 34.56,52.65 U1.21 ; 95.28,40.66 95.55,40.93 ; 95.28,40.66 95.64,41.02 v1(95.64,41.03)
COL5: length 190.4
  Top w0.25: MX60a1.1 MX60b1.1 109.96,18.18 121.99,30.2 MX48.1 114.73,39.72 MX35.1 109.96,54.01 MX21.1 100.44,77.82 MX6.1
  Bottom w0.25: U1.22 34.19,52.15 34.19,40.7 34.67,40.21 114.52,40.21 ; v1(114.73,40.49) 114.73,40.42 114.52,40.21 ; 114.52,40.21 114.6,40.3
COL6: length 205.7
  Top w0.25: MX61.1 MX61a1.1 138.54,12.42 143.3,17.18 MX49.1 133.78,39.72 MX36.1 129.01,54.01 MX22.1 119.49,77.82 MX7.1
  Bottom w0.25: U1.25 30.12,39.81 30.17,39.76 133.5,39.76 v1(133.78,40.04)
COL7: length 223.4
  Top w0.25: MX62.1 167.11,17.88 162.35,22.64 MX50.1 152.83,39.72 MX37.1 148.06,54.01 MX23.1 138.54,77.82 MX8.1
  Bottom w0.25: U1.26 29.62,39.31 152.48,39.31 v1(152.83,39.66)
COL8: length 287.1
  Top w0.25: MX9.1 157.59,77.82 MX24.1 167.11,54.01 MX38.1 171.88,39.72 MX51.1 ; MX63a1.1 MX63.1 MX63b1.1 MX63a1.1 ; MX63a1.1 MX51.1 ; MX51.1 MX51a1.1
  Bottom w0.25: v1(172.38,39.15) 172.09,38.86 29.29,38.86 29.12,39.03 U1.27
COL9: length 326.6
  Top w0.25: MX10.1 176.64,77.82 MX25.1 186.16,54.01 MX39a1.1 MX39b1.1 212.85,48.72 212.94,48.72 212.94,39.62 218.8,33.76 218.8,27.74 202.21,11.15 MX64b1.1 188.55,11.15 MX64a1.1
  Bottom w0.25: v1(212.9,41.22) 212.71,41.41 212.71,41.5 209.93,41.5 209.46,41.03 200.92,41.03 200.32,41.63 193.53,41.63 189.86,37.96 28.8,37.96 28.12,38.64 U1.29
COL10: length 332.1
  Top w0.25: MX65.1 MX65b1.1 214.74,15.09 233.79,34.14 MX40.1 224.26,58.77 MX26a1.1 210.74,60.36 210.74,66.97 210.25,67.45 210.25,68.57 210.8,69.13 210.61,69.13 195.69,84.05 MX11.1
  Bottom w0.25: 233.47,41.95 v1(233.73,41.95) ; 233.47,41.95 209.74,41.95 209.27,41.48 201.11,41.48 200.48,42.1 193.44,42.1 193.4,42.14 189.68,38.41 29,38.41 28.62,38.79 U1.28 ; 233.47,41.95 233.6,41.95
COL11: length 348.6
  Top w0.25: MX66a1.1 MX66.1 MX52.1 233.79,32.47 250.57,49.25 MX41.1 249.41,49.25 233.79,64.87 MX27.1 220.01,82.08 217.34,82.08 215.69,83.73 215.69,86.4 MX12.1 MX12a1.1
  Bottom w0.25: U1.30 27.62,38.51 28.61,37.51 238.79,37.51 v1(239.06,37.79)
COL12: length 348
  Top w0.25: MX13.1 233.79,85.06 250.55,68.3 MX28.1 252.84,66.14 269.73,49.25 MX42.1 269.62,49.25 252.84,32.47 MX53.1 MX67.1
  Bottom w0.25: v1(257.73,37.34) 257.45,37.06 28.43,37.06 27.12,38.37 U1.31
COL13: length 374.8
  Top w0.25: MX15.1 MX29.1 ; MX29.1 269.73,68.3 252.84,85.19 MX14.1 ; MX29.1 271.89,62.2 271.83,62.14 282.37,51.6 282.37,44.49 271.89,34.01 MX54.1 MX68.1
  Bottom w0.25: v1(274.49,36.61) 28.24,36.61 26.62,38.23 U1.32
D+: length 58.9
  Top w0.2: 27.83,74.17 27.83,74.17 ; v1(32.18,72.17) 32.18,73.63 31.63,74.17 30.82,74.17 30.81,74.17 v1(28.02,74.17)
  Bottom w0.2: D72.3 30.85,72.11 30.46,72.49 30.46,73 30.66,73.2 J2.3 ; D72.3 32.11,72.11 v1(32.18,72.17) ; D72.3 31.09,72.11 30.49,71.51 30.49,64.78 27.99,62.27 R2.1 ; J3.A6 17.96,89.07 18.08,89.19 18.86,89.19 18.96,89.09 J3.B6 18.96,77.4 22.18,74.17 27.83,74.17 27.83,74.17 v1(28.02,74.17)
D-: length 56.2
  Bottom w0.2: J3.B7 17.46,87.14 17.57,87.03 17.95,87.03 ; D72.2 29.32,72.11 29.79,71.63 29.79,65.22 26.84,62.27 R1.1 ; D72.2 29.44,72.11 29.76,72.43 29.76,73.95 30.01,74.2 J2.2 ; D72.2 28.3,72.11 28.05,72.36 28.05,73 27.83,73.22 22.11,73.22 17.95,77.38 17.95,87.03 ; 17.95,87.03 18.33,87.03 18.46,87.16 18.46,87.16 J3.A7
MISO: length 21.9
  Top w0.25: v1(42.13,60.72) 42.13,57.78 v1(42.15,57.76)
  Bottom w0.25: v1(42.15,57.76) 43.36,56.55 J1.1 ; U1.8 29.62,58.84 ; v1(42.13,60.72) 42.13,60.7 41.88,60.44 33.4,60.44 32.82,59.87 30.63,59.87 29.62,58.85
MOSI: length 30
  Top w0.25: v1(51.61,57.82) 52.33,58.55 52.33,60.11 v1(51.61,60.83)
  Bottom w0.25: U1.10 30.62,58.57 31.02,58.97 33.19,58.97 33.77,59.54 44.44,59.54 45.45,60.56 51.33,60.56 v1(51.61,60.83) ; J1.4 v1(51.61,57.82)
RESET: length 30.8
  Bottom w0.25: U1.13 32.71,56.65 R4.2 33.51,58.52 34.08,59.09 44.37,59.09 ; J1.5 44.37,59.09 ; 44.37,59.09 44.62,59.09 45.64,60.11 52.88,60.11 53.64,59.35 53.64,56.3 53.97,55.97 SW_Reset1.2
ROW0: length 309.9
  Top w0.25: 29.13,77.13 29.08,77.07 v1(13.99,77.07)
  Bottom w0.25: v1(13.99,77.07) 13.97,77.06 D2.1 7.6,77.06 ; 7.6,77.06 7.09,77.06 ; 7.6,77.06 4.42,77.06 3.98,76.62 3.98,57.7 5.87,55.81 23.83,55.81 24.44,55.2 25.23,55.2 U1.40 ; v1(29.51,77.13) 29.58,77.06 D7.1 36.37,82.21 49.07,82.21 D12.1 51.35,82.33 68.25,82.33 D17.1 70.4,82.33 87.3,82.33 D22.1 89.45,82.33 106.35,82.33 D27.1 108.5,82.33 125.4,82.33 D32.1 127.55,82.33 144.45,82.33 D37.1 146.6,82.33 163.5,82.33 D43.1 165.65,82.33 182.55,82.33 D49.1 186.8,80.23 D54.1 D59.1 237.6,80.23 D64.1 241.85,82.33 258.75,82.33 D68.1
ROW1: length 289.6
  Top w0.25: v1(16.94,62.39) v1(33.04,62.39)
  Bottom w0.25: D69.1 278.87,64.49 277.67,63.28 260.9,63.28 D65.1 259.82,64.36 258.81,63.35 241.79,63.35 D60.1 239.7,63.28 229.15,63.28 D55.1 227.25,63.54 223.69,63.54 219.88,59.73 216.45,59.73 212.83,63.35 194.17,63.35 193.15,64.36 D50.1 192.07,63.28 175.18,63.28 D44.1 173.02,63.28 156.13,63.28 D38.1 153.97,63.28 137.08,63.28 D33.1 134.92,63.28 118.03,63.28 D28.1 115.87,63.28 98.98,63.28 D23.1 96.82,63.28 79.93,63.28 D18.1 77.77,63.28 60.88,63.28 D13.1 58.72,63.28 41.83,63.28 D8.1 38.78,62.39 v1(33.04,62.39) ; D3.1 v1(16.94,62.39) 23.07,56.26 24.02,56.26 24.63,55.65 U1.41
ROW2: length 364.1
  Top w0.25: v1(19.22,43.34) v1(37.8,43.34)
  Bottom w0.25: v1(37.8,43.34) 43.55,43.34 D9.1 46.59,44.23 63.49,44.23 D14.1 65.64,44.23 82.54,44.23 D19.1 84.69,44.23 101.59,44.23 D24.1 103.74,44.23 120.64,44.23 D29.1 123.68,43.34 138.8,43.34 D34.1 141.84,44.23 158.74,44.23 D39.1 160.89,44.23 177.79,44.23 D45.1 179.83,44.34 196.94,44.34 D51.1 201.29,41.93 209.09,41.93 209.56,42.4 225.16,42.4 228.07,45.31 D48.1 229.15,44.23 239.7,44.23 D56.1 241.85,44.23 258.75,44.23 D61.1 260.9,44.23 277.8,44.23 D66.1 279.95,44.23 280.97,44.23 282.37,45.63 282.37,79.92 D70.1 ; 19.22,45.34 v1(19.22,43.34) 6.01,43.34 4.87,44.49 4.87,52.87 6.46,54.46 23.27,54.46 24.08,53.65 U1.37
ROW3: length 335.3
  Bottom w0.25: U1.38 24.22,54.15 23.46,54.91 6.28,54.91 4.42,53.06 4.42,39.99 4.94,39.47 4.94,25.48 5.24,25.18 22.91,25.18 23.95,26.23 D5.1 25.02,25.18 34.91,25.18 D1.1 37.06,25.18 53.96,25.18 D10.1 56.11,25.18 73.01,25.18 D15.1 75.06,25.29 92.17,25.29 D20.1 94.12,25.28 111.2,25.28 D25.1 113.16,25.29 130.27,25.29 D30.1 132.21,25.29 149.32,25.29 D35.1 151.34,25.2 168.28,25.2 D40.1 170.39,25.2 192.09,25.2 D46.1 194.12,25.29 219.17,25.29 D42.1 221.21,25.18 239.7,25.18 D52.1 241.74,25.29 258.86,25.29 D57.1 259.83,26.26 260.9,25.18 277.8,25.18 D62.1
ROW4: length 350.7
  Bottom w0.25: D71.1 D63.1 239.31,5.5 231.69,5.5 230.23,4.03 D58.1 D36.1 D31.1 57.14,4.03 55.67,5.5 45.51,5.5 44.05,4.03 D11.1 D6.1 3.92,4.03 2.59,5.37 2.59,11.47 4.49,13.37 4.49,39.28 3.97,39.8 3.97,53.39 5.95,55.36 23.64,55.36 24.36,54.65 U1.39
SCK: length 20.6
  Top w0.25: v1(43.12,60.6) 42.97,60.45 v1(42.97,58.33)
  Bottom w0.25: J1.3 43.48,57.82 v1(42.97,58.33) ; U1.9 30.12,58.71 30.83,59.42 33.01,59.42 33.58,59.99 42.6,59.99 43.12,60.51 v1(43.12,60.6)
XTAL1: length 9.7
  Bottom w0.25: U1.17 35.49,54.65 37.39,52.74 38.06,52.74 Y1.1 39.7,52.15 C3.2
XTAL2: length 9.2
  Bottom w0.25: U1.16 35.48,55.15 37.01,56.68 37.58,56.68 Y1.3 38.97,56.76 C4.2
Net-(C1-Pad1): length 2.9
  Bottom w0.25: C1.1 28.62,60.01 U1.6
Net-(C_USBSHIELD1-Pad1): length 22.3
  Bottom w0.22: J3.S1 J3.S1 J3.S1 J3.S1 24.33,89.03 R_USBSHIELD1.1
  Bottom w0.25: C_USBSHIELD1.1 12.11,89.03 J3.S1
Net-(D1-Pad2): length 3.9
  Bottom w0.25: MX43b1.2 35.35,29.69 D1.2
Net-(D2-Pad2): length 5.8
  Bottom w0.25: MX1.2 12.04,79.73 D2.2
Net-(D3-Pad2): length 3.9
  Bottom w0.25: MX16.2 16.3,67.79 D3.2
Net-(D4-Pad2): length 8.7
  Bottom w0.25: D4.2 18.65,48.69 MX30.2 MX30a1.2
Net-(D5-Pad2): length 13.4
  Bottom w0.25: D5.2 23.35,29.65 MX43.2 23.33,32.72 MX43a1.2
Net-(D6-Pad2): length 13.9
  Bottom w0.25: D6.2 21.7,8.29 MX55b1.2 MX55.2
Net-(D7-Pad2): length 5.8
  Bottom w0.25: D7.2 31.09,79.73 MX2.2
Net-(D8-Pad2): length 3.9
  Bottom w0.25: MX17.2 40.11,67.79 D8.2
Net-(D9-Pad2): length 3.9
  Bottom w0.25: D9.2 44.88,48.74 MX31.2
Net-(D10-Pad2): length 3.9
  Bottom w0.25: D10.2 54.4,29.69 MX44.2
Net-(D11-Pad2): length 17.3
  Bottom w0.25: MX56a1.2 37.72,13.69 MX56.2 29.05,13.69 24.87,9.52 D11.2
Net-(D12-Pad2): length 3.9
  Bottom w0.25: D12.2 49.64,86.84 MX3.2
Net-(D13-Pad2): length 3.9
  Bottom w0.25: D13.2 59.16,67.79 MX18.2
Net-(D14-Pad2): length 3.9
  Bottom w0.25: MX32.2 63.93,48.74 D14.2
Net-(D15-Pad2): length 3.9
  Bottom w0.25: MX45.2 73.45,29.69 D15.2
Net-(D16-Pad2): length 28.7
  Bottom w0.25: MX57b1.2 MX57a1.2 55.35,13.69 57.96,11.09 67.48,11.09 69.32,9.24 D16.2
Net-(D17-Pad2): length 3.9
  Bottom w0.25: MX4.2 68.69,86.84 D17.2
Net-(D18-Pad2): length 3.9
  Bottom w0.25: MX19.2 78.21,67.79 D18.2
Net-(D19-Pad2): length 3.9
  Bottom w0.25: D19.2 82.98,48.74 MX33.2
Net-(D20-Pad2): length 3.9
  Bottom w0.25: MX46.2 92.5,29.69 D20.2
Net-(D21-Pad2): length 17.4
  Bottom w0.25: MX58.2 67.67,13.69 72.5,8.86 D21.2
Net-(D22-Pad2): length 3.9
  Bottom w0.25: D22.2 87.74,86.84 MX5.2
Net-(D23-Pad2): length 3.9
  Bottom w0.25: D23.2 97.26,67.79 MX20.2
Net-(D24-Pad2): length 3.9
  Bottom w0.25: D24.2 102.03,48.74 MX34.2
Net-(D25-Pad2): length 3.9
  Bottom w0.25: D25.2 111.55,29.69 111.55,32.74
Net-(D26-Pad2): length 19.5
  Bottom w0.25: D26.2 102.03,10.83 99.17,13.69 MX59a1.2
Net-(D27-Pad2): length 3.9
  Bottom w0.25: MX6.2 106.79,86.84 D27.2
Net-(D28-Pad2): length 3.9
  Bottom w0.25: D28.2 116.31,67.79 MX21.2
Net-(D29-Pad2): length 3.9
  Bottom w0.25: MX35.2 121.08,48.74 D29.2
Net-(D30-Pad2): length 3.9
  Bottom w0.25: D30.2 130.6,29.69 MX48.2
Net-(D31-Pad2): length 10.8
  Bottom w0.25: MX60a1.2 MX60b1.2 120.12,9.88 D31.2
Net-(D32-Pad2): length 3.9
  Bottom w0.25: MX7.2 125.84,86.84 D32.2
Net-(D33-Pad2): length 3.9
  Bottom w0.25: MX22.2 135.36,67.79 D33.2
Net-(D34-Pad2): length 3.9
  Bottom w0.25: D34.2 140.13,48.74 MX36.2
Net-(D35-Pad2): length 3.9
  Bottom w0.25: MX49.2 149.65,29.69 D35.2
Net-(D36-Pad2): length 11.4
  Bottom w0.25: MX61.2 MX61a1.2 150.29,8.29 D36.2
Net-(D37-Pad2): length 3.9
  Bottom w0.25: D37.2 144.89,86.84 MX8.2
Net-(D38-Pad2): length 3.9
  Bottom w0.25: MX23.2 154.41,67.79 D38.2
Net-(D39-Pad2): length 3.9
  Bottom w0.25: D39.2 159.18,48.74 MX37.2
Net-(D40-Pad2): length 3.9
  Bottom w0.25: MX50.2 168.7,29.69 D40.2
Net-(D41-Pad2): length 10
  Bottom w0.25: MX62.2 172.19,13.69 167.75,9.24 D41.2
Net-(D42-Pad2): length 7.7
  Bottom w0.25: MX51a1.2 216.46,32.74 D42.2
Net-(D43-Pad2): length 3.9
  Bottom w0.25: D43.2 163.94,86.84 MX9.2
Net-(D44-Pad2): length 3.9
  Bottom w0.25: MX24.2 173.46,67.79 D44.2
Net-(D45-Pad2): length 3.9
  Bottom w0.25: D45.2 178.23,48.74 MX38.2
Net-(D46-Pad2): length 23.6
  Bottom w0.25: D46.2 191.43,29.06 MX51.2 MX51b1.2
Net-(D47-Pad2): length 40
  Bottom w0.25: D47.2 201.72,5.88 183.81,5.88 182.82,6.88 182.82,10.35 186.16,13.69 MX63a1.2 MX63.2 MX63b1.2
Net-(D48-Pad2): length 10.9
  Bottom w0.25: MX39b1.2 224.39,51.79 D48.2
Net-(D49-Pad2): length 3.9
  Bottom w0.25: MX10.2 182.99,86.84 D49.2
Net-(D50-Pad2): length 3.9
  Bottom w0.25: MX25.2 192.51,67.79 D50.2
Net-(D51-Pad2): length 15.8
  Bottom w0.25: MX39.2 MX39a1.2 197.28,48.74 D51.2
Net-(D52-Pad2): length 3.9
  Bottom w0.25: MX52.2 240.14,29.69 D52.2
Net-(D53-Pad2): length 17.7
  Bottom w0.25: D53.2 207.62,6.83 207.37,7.09 207.37,8.36 MX64b1.2 202,13.65 194.91,13.65
Net-(D54-Pad2): length 7.1
  Bottom w0.25: MX11.2 202.04,83.67 D54.2
Net-(D55-Pad2): length 24.7
  Bottom w0.25: MX26a1.2 217.15,61.31 216.33,62.14 MX26.2 224.39,70.84 D55.2
Net-(D56-Pad2): length 3.9
  Bottom w0.25: MX40.2 240.14,48.74 D56.2
Net-(D57-Pad2): length 3.9
  Bottom w0.25: D57.2 259.19,29.69 MX53.2
Net-(D58-Pad2): length 13.2
  Bottom w0.25: D58.2 224.9,9.88 MX65b1.2 MX65.2
Net-(D59-Pad2): length 18.6
  Bottom w0.25: D59.2 226.49,84.49 MX12.2 MX12a1.2
Net-(D60-Pad2): length 3.9
  Bottom w0.25: MX27.2 240.14,67.79 D60.2
Net-(D61-Pad2): length 3.9
  Bottom w0.25: D61.2 259.19,48.74 MX41.2
Net-(D62-Pad2): length 3.9
  Bottom w0.25: MX54.2 278.24,29.69 D62.2
Net-(D63-Pad2): length 16.6
  Bottom w0.25: D63.2 240.14,7.47 MX66.2 MX66a1.2
Net-(D64-Pad2): length 3.9
  Bottom w0.25: MX13.2 240.14,86.84 D64.2
Net-(D65-Pad2): length 3.9
  Bottom w0.25: MX28.2 259.19,67.79 D65.2
Net-(D66-Pad2): length 3.9
  Bottom w0.25: D66.2 278.24,48.74 MX42.2
Net-(D67-Pad2): length 10
  Bottom w0.25: MX67.2 257.79,13.69 253.47,9.37 D67.2
Net-(D68-Pad2): length 3.9
  Bottom w0.25: MX14.2 259.19,86.84 D68.2
Net-(D69-Pad2): length 3.8
  Bottom w0.25: D69.2 278.24,67.98 MX29.2
Net-(D70-Pad2): length 3.9
  Bottom w0.25: D70.2 278.24,86.84 MX15.2
Net-(D71-Pad2): length 7.1
  Bottom w0.25: D71.2 278.24,7.47 MX68.2
Net-(J3-PadA5): length 2
  Bottom w0.25: J3.A5 16.94,88.1 R_USB1.1
Net-(J3-PadB5): length 2
  Bottom w0.25: J3.B5 19.98,88.09 R_USB2.1
Net-(R1-Pad2): length 2.6
  Bottom w0.25: R1.2 27.12,60.21 U1.3
Net-(R2-Pad2): length 2.7
  Bottom w0.25: R2.2 27.62,60.12 U1.4
Net-(R3-Pad1): length 2
  Bottom w0.25: U1.33 26.12,50.75 R3.1

## Copper pours and planes (outline as drawn; the poured copper is in the pictures)
GND on Top, Bottom: 282.75,1.56 1.95,1.56 1.95,91.86 282.75,91.86
